# Altium PCB uAMDC.PcbDoc (part 3 of 6) (continued)
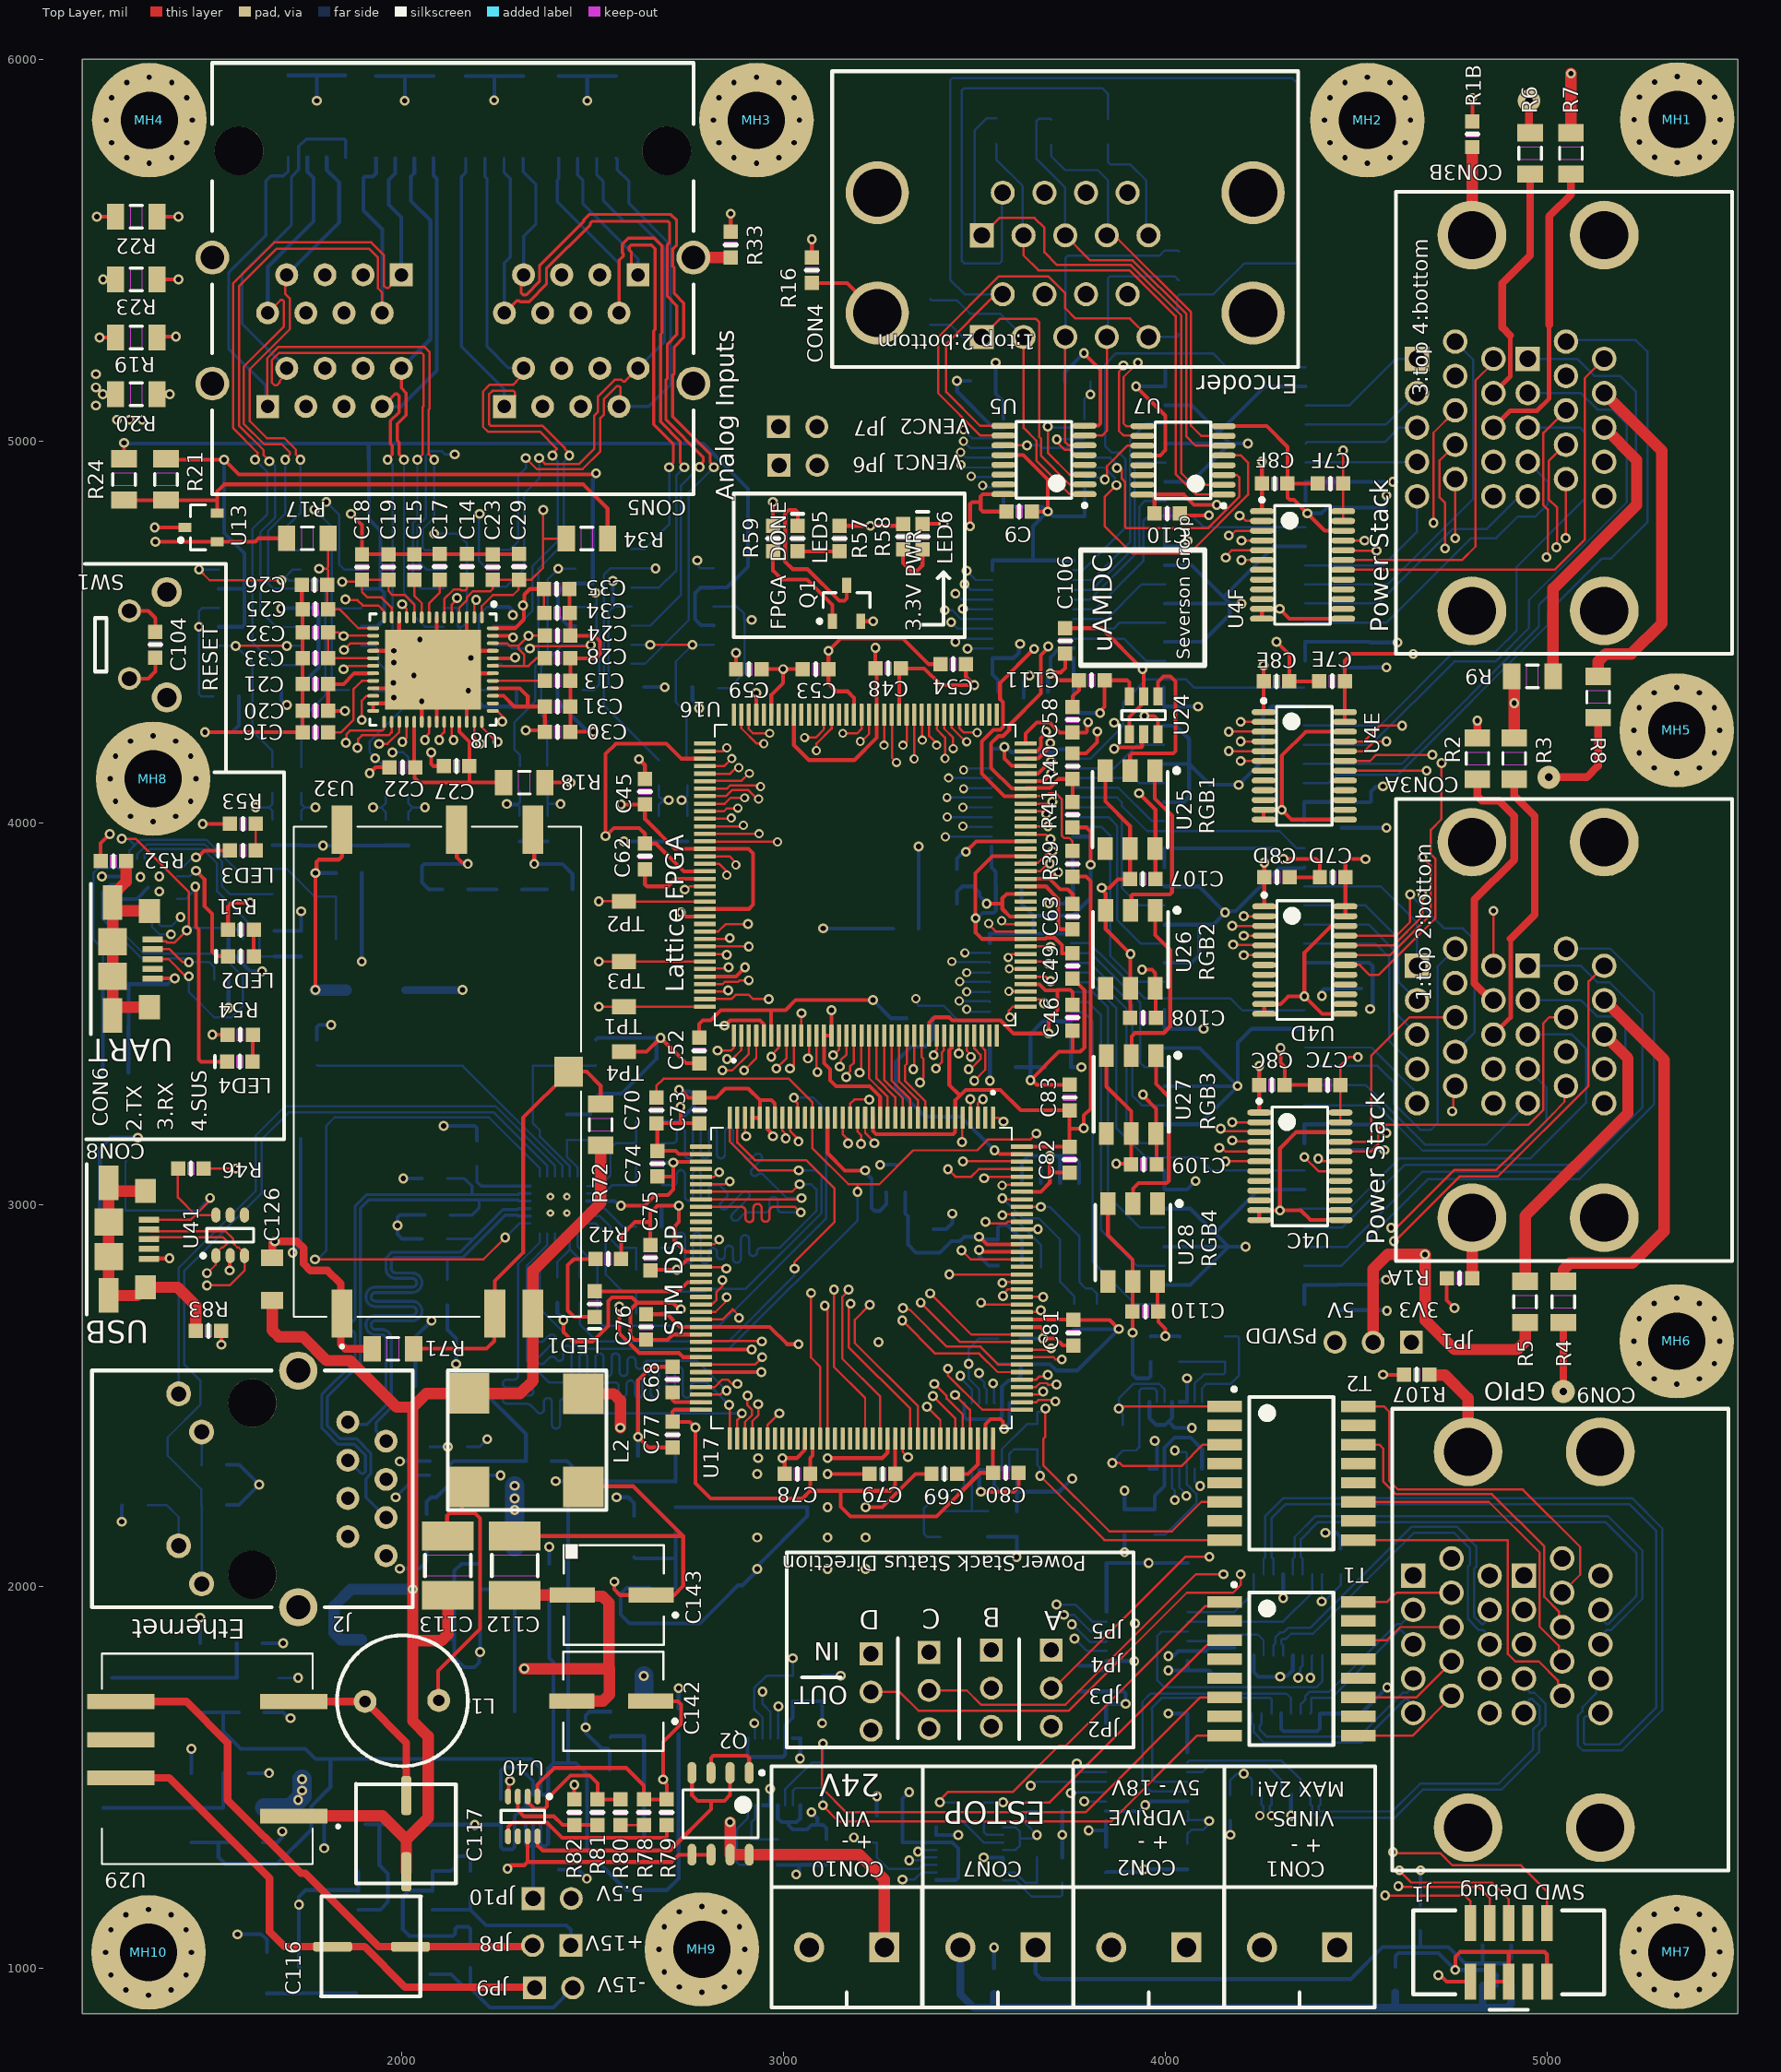
[diagram p0: Top Layer view]
## Nets (pads, with @x,y where several pads share a name; then routed paths per layer and width w, separated by ;. In a path a pad name is that pad's centre, name@x,y a point inside that pad or via, vN(x,y) a via of type N, cw(c..) or ccw(c..) an arc to the next point about the centre after c; other vN are vias at no path point) (continued)
  Int3 (Sign) w6: v2(3431.17,3092.35) 3431.17,3275.66 3460.72,3305.22 3460.72,3328.27 3485.81,3353.35 v2(3485.81,3354.55)
FMC_NBL1: U16.34 U17.142 | length 535.3
  Top Layer w6: v2(3470.54,3112.73) 3471.01,3113.2 3623.71,3113.2 U17.142@3624.87,3112.04 ; v2(3500.51,3324) 3529,3352.49 3529,3404.08 3520.25,3412.83 3520.25,3442.45 U16.34@3520.2,3442.5
  Int3 (Sign) w6: v2(3470.54,3112.73) 3470.54,3114.35 3443.17,3141.72 3443.17,3265.65 3500.51,3323 v2(3500.51,3324)
FMC_NE1: U16.17 U17.97 | length 1195.6
  Top Layer w6: v2(3164.85,3333.41) 3164.85,3338.82 3175.26,3349.23 3175.26,3361.26 3185.55,3371.55 U16.17@3185.55,3442.5 ; v2(3176.78,2740) 3171.5,2734.72 3171.5,2626.44 3332.74,2465.2 U17.97@3332.74,2386.84
  Int3 (Sign) w6: v2(3164.85,3333.41) 3112,3280.56 3112,3135.98 3122.73,3125.24 3122.73,2856.13 3193.24,2785.63 3193.24,2756.45 v2(3176.78,2740)
FMC_NE2: U16.18 U17.98 | length 1216.8
  Top Layer w6: v2(3200.22,3345.39) 3203.73,3348.9 3204.08,3348.9 3204.08,3441.35 U16.18@3205.24,3442.5 ; v2(3227,2737) 3187.5,2697.5 3187.5,2637.17 3352.43,2472.25 U17.98@3352.43,2386.84
  Int3 (Sign) w6: v2(3200.22,3345.39) 3196.75,3341.92 3196.75,3327.78 3124,3255.03 3124,3140.95 3134.73,3130.21 3134.73,2861.1 3227,2768.84 v2(3227,2737)
FMC_NE3: U16.15 U17.91 | length 1132.9
  Top Layer w6: v2(3130.81,3391.19) 3131.91,3391.19 3146.18,3405.46 U16.15@3146.18,3442.5 ; v2(3133,2777) 3133,2574.39 3214.63,2492.76 U17.91@3214.63,2386.84
  Int3 (Sign) w6: v2(3130.81,3391.19) 3126.98,3387.36 3126.98,3370.52 3126.5,3370.03 3126.5,3343.86 3088,3305.37 3088,3126.03 3098,3116.03 3098,2834.29 3133,2799.29 v2(3133,2777)
FMC_NE4: U16.31 U17.127 | length 870.1
  Top Layer w6: v2(3435,2816.76) U17.127@3624.87,2816.76 ; v2(3460,3395) 3460.57,3395.57 3460.57,3441.93 U16.31@3461.14,3442.5
  Int3 (Sign) w6: v2(3435,2816.76) 3431.19,2816.76 3385,2862.95 3385,3266.13 3424.09,3305.22 3424.09,3359.09 v2(3460,3395)
FMC_NOE: U16.28 U17.118 | length 1027
  Top Layer w6: v2(3360,2742.86) 3463.26,2639.6 U17.118@3624.87,2639.6 ; v2(3394,3391.13) 3393.22,3391.9 3393.22,3396.87 3402.09,3405.73 U16.28@3402.09,3442.5
  Int3 (Sign) w6: v2(3360,2742.86) 3360,3277.05 3380.09,3297.13 3380.09,3332.47 3378.09,3334.47 3378.09,3375.21 v2(3394,3391.13)
FMC_NWE: U16.29 U17.119 | length 987.6
  Top Layer w6: v2(3385,2767) 3492.72,2659.28 U17.119@3624.87,2659.28 ; v2(3400.09,3355.9) 3400.09,3357.19 3416,3373.1 3416,3398.66 3420.86,3403.52 3420.86,3441.59 U16.29@3421.77,3442.5
  Int3 (Sign) w6: v2(3385,2767) 3385,2767.14 3372,2780.14 3372,3272.08 3402.09,3302.16 3402.09,3353.9 v2(3400.09,3355.9)
FPGA_CLK: U16.49 U16.52 X1.3 | length 343.4
  Top Layer w10: v1(3532.93,3787.97) 3573.95,3787.97 ; U16.49@3635.16,3754.32 3593.63,3754.32 3573.95,3774 3573.95,3787.97 ; U16.52@3635.16,3813.37 3585.37,3813.37 3573.95,3801.95 3573.95,3787.97
  Bottom Layer w10: X1.3@3455,3788 3455,3819 3469,3833 3497.64,3833 3513.76,3816.88 3513.76,3808.39 3532.93,3789.22 v1(3532.93,3787.97)
FPGA_NRST: U16.128 U17.64 | length 1572.7
  Top Layer w6: v1(2742.09,3824.78) 2747.32,3824.78 2755.6,3833.06 U16.128@2795,3833.06
  Top Layer w10: U17.64@2784.71,2619.91 v2(2917.39,2619.91)
  Int3 (Sign) w10: v1(2742.09,3824.78) 2770,3796.86 2770,3420 2700,3350 2700,3200.83 2767.17,3133.66 2767.17,2687.83 2835.09,2619.91 v2(2917.39,2619.91)
GND: C1A.2 C1B.2 C1C.2 C2A.2 C2B.2 C2C.2 C3A.2 C3B.2 C3C.2 C4A.1 C4B.1 C4C.1 C5A.2 C5B.2 C5C.2 C6A.2 C6B.2 C6C.2 C7A.2 C7B.2 C7C.2 C7D.2 C7E.2 C7F.2 C8A.2 C8B.2 C8C.2 C8D.2 C8E.2 C8F.2 C9.1 C10.1 C11.2 C12.2 C13.2 C14.2 C15.2 C16.2 C17.2 C18.2 C19.2 C20.2 C21.2 C22.2 C23.2 C24.2 C25.2 C26.2 C27.2 C28.2 C29.2 C30.2 C31.2 C32.2 C33.2 C34.2 C35.2 C36A.2 C36B.2 C37A.1 C37B.1 C38A.2 C38B.2 C39A.2 C39B.2 C40A.2 C40B.2 C41A.1 C41B.1 C42A.2 C42B.2 C43A.2 C43B.2 C45.2 C46.2 C48.2 C49.2 C52.2 C53.2 C54.2 C57.2 C58.2 C59.2 C68.2 C69.2 C70.2 C71.1 C72.1 C73.1 C74.1 C75.1 C76.1 C77.1 C78.1 C79.1 C80.1 C81.1 C82.1 C83.1 C96A.1 C96B.1 C96C.1 C96D.1 C97A.1 C97B.1 C97C.1 C97D.1 C98.2 C99.2 C100.2 C101.1 C102.1 C103.1 C104.1 C105.1 C106.2 C107.1 C108.1 C109.1 C110.1 C111.2 C123.2 C124.2 C125.2 C127.1 C128.2 C129.2 C131.2 C132.2 C133.2 C134.2 C135.2 C136.2 C138.1 C139.2 C140.1 C141.1 C144.2 C145.2 C146.2 C147.1 C148.1 C149.1 C150.1 C151.1 C152.2 C153.1 C154.1 C155.1 C156.1 C157.1 C158.2 C159.2 C160.2 CON2.2 CON3A.7A CON3A.7B CON3A.15A CON3A.15B CON3B.7A CON3B.7B CON3B.15A CON3B.15B CON4.8B CON4.8T CON4.9B CON4.9T CON5.4A CON5.4B CON5.4C CON5.4D CON5.6A CON5.6B CON5.6C CON5.6D CON6.5 CON8.5 CON9.11A CON9.11B J1.3 J1.5 J1.9 J2.8 JP2.1 JP3.1 JP4.1 JP5.1 LED6.C MH1.1 MH2.1 MH3.1 MH4.1 MH5.1 MH6.1 MH7.1 MH8.1 MH9.1 MH10.1 Q1.2 R1A.2 R1B.2 R16.2 R33.1 R41.2 R42.2 R49A.1 R49B.1 R49C.1 R49D.1 R52.2 R61.1 R70.1 R83.2 R93.2 R94.1 R99.1 R100.1 R102.1 R107.1 SW1.2 SW1.SH TP4.1 U1A.7 U1A.8 U1B.7 U1B.8 U1C.7 U1C.8 U2A.11 U2A.12 U2A.13 U2A.22 U2B.11 U2B.12 U2B.13 U2B.22 U2C.11 U2C.12 U2C.13 U2C.22 U3A.7 U3A.8 U3B.7 U3B.8 U3C.7 U3C.8 U4A.2 U4A.11 U4A.12 U4A.13 U4A.14 U4A.15 U4A.16 U4A.17 U4A.22 U4B.7 U4B.8 U4B.9 U4B.10 U4B.11 U4B.12 U4B.13 U4B.22 U4C.11 U4C.12 U4C.13 U4C.22 U4D.11 U4D.12 U4D.13 U4D.22 U4E.11 U4E.12 U4E.13 U4E.22 U4F.11 U4F.12 U4F.13 U4F.22 U5.8 U5.12 U6.9 U6.10 U6.11 U6.12 U6.13 U6.14 U6.15 U6.22 U7.8 U7.12 U8.3 U8.7 U8.12 U8.18 U8.23 U8.25 U8.26 U8.32 U8.34 U8.38 U8.46 U8.49 U8.53 U9.5 U9.6 U9.7 U9.8 U10.5 U10.6 U10.7 U10.8 U11.5 U11.6 U11.7 U11.8 U12.5 U12.6 U12.7 U12.8 U13.3 U16.5 U16.13 U16.14 U16.59 U16.69 U16.86 U16.103 U16.132 U16.140 U17.16 U17.31 U17.38 U17.51 U17.61 U17.83 U17.94 U17.107 U17.120 U17.130 U17.138 U18.3 U19.1 U19.2 U19.3 U19.4 U20A.7 U20A.8 U20A.13 U20A.14 U20B.7 U20B.8 U20B.13 U20B.14 U20C.7 U20C.8 U20C.13 U20C.14 U20D.7 U20D.8 U20D.13 U20D.14 U21.2 U21.25 U22.2 U23.2 U24.2 U25.6 U26.6 U27.6 U28.6 U31.3 U31.6 U32.4 U33.1 U34.2 U34.3 U35.1 U36.1 U37.1 U39.5 U39.9 U41.2 U42.2 U43.25 U44.4 U44.8 U44.12 U45.4 U45.8 U45.12 X1.2 | length 33624.1
  Top Layer w10: R52.2@1212.54,3899 1212.54,3946.33 v1(1236.2,3970) ; SW1.2@1288,4377.42 1337.42,4377.42 1356,4396 C104.1@1356,4432.54 ; CON8.5@1338.86,2857.8 1339.59,2858.54 1392.06,2858.54 v1(1392.79,2859.27) ; CON6.5@1349.32,3591.54 1349.66,3591.88 v1(1407,3591.88) v1@1407.34,3592.22 ; v1(1354.47,4773.44) U13.3@1433.24,4773.44 ; v1(1486,4236.79) C16.2@1741.54,4236.79 C20.2@1741.54,4292.73 C21.2@1741.54,4363 C33.2@1741.54,4430.53 C32.2@1741.54,4498 C25.2@1741.54,4559 1739.54,4561 C26.2@1739.54,4623 ; R83.2@1528.46,2669 1528.79,2668.67 v1(1528.79,2632.47) ; v1(1550.53,2827) 1550.53,2864.38 U41.2@1552,2865.85 ; v1(1868,4808.87) 1897.09,4779.78 C18.2@1897.09,4702.82 C19.2@1966,4702.82 C15.2@2033.79,4702.82 2100.23,4702.82 C17.2@2101,4703.59 C14.2@2171.58,4703.59 2238.73,4703.59 C23.2@2239.5,4702.82 2240.27,4703.59 C29.2@2308,4703.59 ; v1(1916.89,4129.25) 1932.64,4145 C22.2@1969.54,4145 ; U8.26@1926.5,4292.73 U8.25@1926.5,4312.42 1994.42,4312.42 U8.53@2033.79,4351.79 ; U8.23@1926.5,4351.79 U8.53@2033.79,4351.79 ; U8.18@1926.5,4450.21 U8.53@2033.79,4450.21 ; U8.12@1994.42,4537.81 1994.42,4489.58 U8.53@2033.79,4450.21 ; U8.32@2053.47,4264.19 v1(2053.47,4317.83) U8.53@2053.47,4371.47 ; v1(2078,4184) 2078,4154.11 2083.86,4148.25 C27.2@2111.23,4148.25 ; U8.34@2092.84,4264.19 U8.53@2092.84,4391.16 ; U8.7@2092.84,4537.81 U8.53@2092.84,4410.84 ; U8.38@2171.58,4264.19 2171.58,4312.42 U8.53@2092.84,4391.16 ; U8.3@2171.58,4537.81 2171.58,4489.58 U8.53@2132.21,4450.21 ; U8.46@2239.5,4391.16 U8.53@2092.84,4391.16 ; U8.49@2239.5,4450.21 U8.53@2132.21,4450.21 ; U32.4@2344.69,3981.46 2348,3978.16 v1(2348,3892) ; C35.2@2440.34,4612 2440.34,4550.13 C34.2@2441.46,4549 2442.8,4547.66 C24.2@2442.8,4489.58 2443.27,4489.12 2505.94,4489.12 2520,4475.06 2520,4442.24 2508.28,4430.53 C28.2@2442.8,4430.53 C13.2@2442.8,4371.47 C31.2@2442.8,4304 C30.2@2442.8,4238 v1(2503.17,4238) ; R42.2@2575.46,2857 2575.46,2916.55 2575.15,2916.86 2612.36,2954.07 2652,2954.07 ; TP4.1@2582.67,3399.97 2642.5,3399.97 v1(2679,3436.46) 2745.93,3369.54 C52.2@2780,3369.54 ; v1(2622.25,4166.51) 2638,4150.76 C45.2@2638,4114.46 ; C76.1@2641,2712.43 2696.16,2712.43 2729.63,2678.97 U17.61@2784.71,2678.97 2871.65,2678.97 2965.08,2678.97 3010.05,2634 v1(3040,2634) ; C75.1@2652,2894 2652,2954.07 ; C77.1@2710,2363.54 2647.46,2363.54 v1(2620,2391) 2620,2539.86 2654.78,2574.64 C68.2@2710,2574.64 ; v1(2731.09,3255.03) 2732,3254.12 2732,3212.78 ; v1(2732,3765) 2734.33,3765 2745.01,3754.32 U16.132@2795,3754.32 ; C73.1@2781,3212.78 2732,3212.78 ; U17.51@2784.71,2875.82 2743.47,2875.82 2715.43,2903.86 2715.43,2942.46 2727.04,2954.07 v1(2727.04,2997) 2670.76,2997 2652,2978.24 2652,2954.07 ; U17.38@2784.71,3131.72 2727.11,3131.72 2718.63,3140.21 C74.1@2670.76,3140.21 2670.76,3210.07 C70.2@2668.05,3212.78 2732,3212.78 ; U16.140@2795,3596.83 2876.11,3596.83 v1(2900.11,3620.83) ; v1(2846.08,3468.6) 2847.49,3468.6 2861.33,3482.44 2938.91,3482.44 2948.82,3472.53 2948.82,3443.02 U16.5@2949.33,3442.5 ; v1(2862.73,5595) 2862.73,5547.73 R33.1@2863,5547.46 ; C59.2@2943.43,4402.14 v1(3000,4402.14) ; U17.31@2958.72,3227 2959.24,3226.49 2959.24,3196.88 2973,3183.11 v1(2973,3178.78) ; U16.103@2969.02,4282.66 2969.02,4334.52 3000,4365.5 v1(3000,4402.14) ; C78.1@3004,2294 3004,2325.41 2998.09,2331.31 3002.42,2335.64 3035.46,2335.64 3056.64,2356.82 3056.64,2386.33 U17.83@3057.15,2386.84 ; C53.2@3051.57,4402.14 v1(3000,4402.14) ; R16.2@3075,5480.46 v1(3075,5528) ; v1(3116.2,2294) C79.1@3226.54,2294 ; v1(3116.2,2335.64) 3259.37,2335.64 3273.17,2349.45 3273.17,2386.33 U17.94@3273.68,2386.84 ; v1(3126.5,3509) U16.14@3126.5,3442.5 U16.13@3106.81,3442.5 3106.81,3369.86 3122.68,3353.99 3122.68,3325.28 3138.56,3309.41 3226.43,3309.41 3254,3281.84 U17.16@3254,3227 ; Q1.2@3203.4,4527.51 v1(3236,4527.51) ; v1(3216,2207) 3259.42,2207 3346.52,2294.09 C69.2@3388.54,2294.09 ; U16.86@3303.66,4282.66 3303.66,4399.2 C48.2@3308.46,4404 3369.58,4404 3413.58,4360 v1(3500.51,4360) 3478.46,4382.05 C54.2@3478.46,4415 ; LED6.C@3364.88,4782.46 v1(3419.87,4782.46) ; v1(3478.33,3923.58) 3505.91,3951.17 U16.59@3635.16,3951.17 ; v1(3513.15,2880.87) 3517.48,2880.87 3522.53,2875.82 U17.130@3624.87,2875.82 ; v1(3517.48,2247.44) 3603.65,2247.44 3616.46,2260.26 C80.1@3616.46,2297 ; U17.107@3529.59,2386.84 3530.1,2387.35 3530.1,2424.38 3543,2437.28 3569.27,2437.28 3575.63,2430.91 3575.63,2414.75 v1(3578.69,2411.68) ; U5.12@3576.7,4962.8 3628.53,4962.8 3693,4898.32 v1(3693,4815) C9.1@3651.46,4815 ; v1(3579.17,4198.4) 3579.17,4167.7 3598.34,4148.53 3634.65,4148.53 U16.69@3635.16,4148.02 ; U17.120@3624.87,2678.97 3625.38,2678.46 3674.49,2678.46 3680.35,2672.6 v1(3680.35,2648.93) 3713.71,2648.93 3732.1,2630.54 C81.1@3760,2630.54 ; U17.138@3624.87,3033.3 3674.81,3033.3 3698.14,3056.63 3698.14,3090.73 ; v1(3698.14,3127) 3698.14,3090.73 ; v1@3702.75,4391.76 3721.5,4373 C111.2@3774.54,4373 3774.54,4347.22 3758.08,4330.75 3758.08,4302.99 C58.2@3758,4302.91 ; v1@3702.75,4393.55 3727.25,4393.55 3738.7,4405 C106.2@3738.7,4442.54 ; C82.1@3750,3083.54 3705.33,3083.54 3698.14,3090.73 ; C83.1@3750,3313.46 3663.87,3313.46 3652.03,3325.3 v1(3647.7,3325.3) 3722.34,3399.94 3754,3399.94 ; C46.2@3758,3455.59 3758,3403.94 3754,3399.94 ; C49.2@3758,3591.54 3789,3560.54 3789,3410.94 3778,3399.94 3754,3399.94 ; R41.2@3758,3987.54 3794.34,3987.54 3805,3976.88 v1(3805,3890) ; v1(3787.43,5229.55) 3830.86,5186.12 3830.86,5045.42 3825.14,5039.7 3789.43,5039.7 U5.8@3789.3,5039.57 ; v1(3866.57,4193.75) 3870.9,4193.75 3874.57,4197.42 3937.93,4197.42 3939.84,4199.34 3939.84,4228.1 U24.2@3943.78,4232.05 ; v1(3924,5143) 4001,5066 4001,4975.65 3987.14,4961.8 U7.12@3940.7,4961.8 ; v1(3932,4077) 3974.85,4034.15 3974.85,3933.2 U25.6@3973.34,3931.69 3974.85,3930.19 C107.1@3974.85,3852.05 ; v1(3940,3615) 3965.4,3615 3974.34,3606.05 U26.6@3974.34,3565.69 3975.85,3564.19 C108.1@3975.85,3489.05 ; v1(3942.38,3287.87) 3942.38,3284.87 3976.34,3250.91 U27.6@3976.34,3185.69 3977.85,3184.19 C109.1@3977.85,3105.05 ; U28.6@3980.34,2797.69 3980.34,2721.56 3982.32,2719.58 3982.32,2692.21 4000.47,2674.07 4000.47,2655.53 v1(4001,2655) ; C10.1@4039.39,4809.54 4043.92,4805 v1(4115,4805) ; U7.8@4153.3,5038.57 4266.04,5038.57 4320.63,4983.98 C8F.2@4320.63,4887.98 ; U4C.12@4246.7,2959.25 U4C.11@4246.7,2984.84 4355.16,2984.84 4380.75,2959.25 U4C.13@4459.3,2959.25 ; U4F.12@4253.7,4534.25 U4F.11@4253.7,4559.84 v1(4300,4559.84) 4325.59,4534.25 U4F.13@4466.3,4534.25 ; U4E.12@4258.4,4008.09 U4E.11@4258.4,4033.69 v1(4305.63,4033.69) ; U4D.12@4259.7,3499.25 U4D.11@4259.7,3524.84 4302.37,3524.84 4322.79,3545.26 v1(4365,3545.26) ; v1(4291.87,4473.46) 4325.33,4440 C8E.2@4325.33,4369.94 4403.77,4369.94 C7E.2@4404.07,4370.24 ; v1(4301,2983.97) 4301,3147.24 4343.33,3189.57 U4C.22@4459.3,3189.57 ; v1(4302.37,3410) 4302.37,3371.09 4313.46,3360 C8C.2@4313.46,3313 C7C.2@4392.37,3313 ; v1(4310,3905) 4395.37,3905 4405.37,3895 C7D.2@4405.37,3856.83 C8D.2@4326.63,3856.83 ; C7F.2@4399.37,4887.98 C8F.2@4320.63,4887.98 ; U4F.22@4466.3,4764.57 4418.07,4764.57 v1(4372.63,4810.01) 4337.36,4845.28 4326.49,4845.28 4320.63,4851.13 C8F.2@4320.63,4887.98 ; U4E.13@4471,4008.09 4331.22,4008.09 v1(4305.63,4033.69) ; U4E.22@4471,4238.41 4368.64,4238.41 4305.63,4175.4 v1(4305.63,4033.69) ; U4D.13@4472.3,3499.25 4411.01,3499.25 v1(4365,3545.26) ; U4D.22@4472.3,3729.57 4435.15,3729.57 4365,3659.42 v1(4365,3545.26) ; v1(4571,2554) R107.1@4625.54,2554 ; R1A.2@4737.54,2807 4737.54,2749.46 v1(4758,2729) ; v1(4760,995) 4760,1029.31 4772.76,1042.07 4900,1042.07 ; R1B.2@4805,5836.46 v4(4805,5899.06) ; J1.3@4850,964.23 J1.5@4900,964.23 4900,1042.07 ; J1.9@5000,964.23 5000,1036.21 4994.14,1042.07 4900,1042.07 ; U8.53@2033.79,4351.79 U8.53@2053.47,4371.47 ; U8.53@2033.79,4450.21 U8.53@2083,4401 ; U8.53@2053.47,4371.47 U8.53@2083,4401 ; U8.53@2083,4401 U8.53@2092.84,4410.84 ; U8.53@2083,4401 U8.53@2092.84,4391.16 ; U8.53@2092.84,4410.84 U8.53@2132.21,4450.21
  Bottom Layer w10: C146.2@1210.54,2984 1210.54,3046.87 C145.2@1210.66,3047 1210.66,3146.66 1239,3175 v1(1310,3175) ; U21.2@1261.37,3800.26 1307.63,3800.26 U21.25@1337.16,3829.79 ; v1(1268,2169) 1268,2210.46 R102.1@1269.54,2212 ; C103.1@1285.59,3345 C102.1@1285.59,3467 1285.72,3467.13 C101.1@1285.72,3577.22 1388.55,3577.22 1403.55,3592.22 v1@1407.34,3592.22 ; U36.1@1450.32,1510.55 v1(1450.32,1574) ; U33.1@1473.16,1850.55 v1(1473.16,1918) ; v1(1486,4236.79) 1556.25,4236.79 1574.46,4255 C38A.2@1574.46,4331 ; R100.1@1543.46,2213 1575,2213 v1(1628,2266) 1576,2318 R99.1@1543.46,2318 ; U22.2@1547.4,3589.78 U22.2@1547.61,3589.57 v1(1547.61,3515) ; C135.2@1600.67,1510.55 v1(1654,1510.55) ; C129.2@1636.26,1850.55 v1(1690.67,1850.55) ; C132.2@1637.09,1329.45 1675.42,1329.45 1688,1342.03 v1(1688,1357.7) ; C128.2@1641.18,1669.45 1690.67,1669.45 1705.67,1654.45 v1(1710,1654.45) ; C36A.2@1662.75,3941.41 C39A.2@1737.75,3941.41 1739.16,3940 v1(1795,3940) 1956.59,3940 1958,3941.41 C36B.2@1958.75,3940.66 C39B.2@2018.75,3940.66 ; C37A.1@1685.54,4352 1685.54,4320.54 1697.59,4308.48 v1(1700.5,4308.48) ; U10.5@1704,5957.28 U10.6@1754,5957.28 1779,5957.28 ; v1(1715.46,2873.46) 1736.41,2894.41 C157.1@1736.41,2925 C156.1@1736.41,2988 C155.1@1736.41,3050 C154.1@1736.41,3109 C150.1@1736.41,3172 ; C138.1@1734,1000.46 1732,1002.46 1732,1186.14 1749.86,1204 1886.76,1204 U34.2@1887.76,1203 U34.3@1887.76,1253 ; C152.2@1779,3431.46 1779,3464.14 1784.86,3470 v1(1816,3470) ; v1(1779,5891) 1779,5957.28 ; U10.8@1854,5957.28 U10.7@1804,5957.28 1779,5957.28 ; v1(1896.34,3636) C100.2@1896.34,3695.94 C99.2@1896.34,3752 C98.2@1896.34,3806.94 C127.1@1896.34,3868 ; C38B.2@1929.18,4347.21 1960.16,4347.21 v1(1979.38,4366.43) ; U12.5@1934,5955.28 U12.6@1984,5955.28 2009,5955.28 ; v1(1996,2046) 2048.04,2046 2066.54,2064.5 C148.1@2066.54,2121.95 ; v1(1996,2326.9) 1996.55,2327.45 2074.24,2327.45 U42.2@2074.79,2328 ; v1(2009,5891) 2009,5955.28 ; v1(2033.06,4385.25) 2033.06,4358.68 C37B.1@2044.54,4347.21 ; C131.2@2045.46,1376 2045.93,1375.54 v1@2191.6,1375.54 ; C123.2@2050.48,1860 2139.01,1860 ; U12.8@2084,5955.28 U12.7@2034,5955.28 2009,5955.28 ; v1(2111,3206) 2192.14,3206 2198,3200.14 R94.1@2198,3167.46 ; U11.5@2169,5955.28 U11.6@2219,5955.28 2244,5955.28 ; v1(2175.27,4345.88) 2175.27,4343.31 2214.58,4304 2295.47,4304 2301.33,4309.86 C41A.1@2301.33,4347 ; v1(2192.24,1374.89) v1@2191.6,1375.54 ; U35.1@2206.18,1902.79 v1(2206.18,1828) 2204,1825.82 2204,1800 2191.63,1787.63 2164.84,1787.63 2139.01,1813.46 2139.01,1860 ; C134.2@2206.18,2058.59 2157.45,2058.59 2139.01,2040.16 2139.01,1860 ; v1(2243,5892) 2244,5893 2244,5955.28 ; C40A.2@2310,3950.41 2348,3950.41 ; U11.8@2319,5955.28 U11.7@2269,5955.28 2244,5955.28 ; U39.5@2325.47,1454.2 2326.38,1453.3 2326.38,1427.71 U39.9@2337.09,1417 ; U39.9@2355,1417 U39.9@2337.09,1417 ; C42A.2@2383,3950.41 2348,3950.41 ; C133.2@2387.28,2058.59 v1(2387.28,2102.88) ; C147.1@2393.46,2328 2434.87,2328 2447,2315.87 2447,2285.04 2436.97,2275 v1(2404,2275) ; C43A.2@2408.54,4347 2409.34,4346.2 2409.34,4316.79 2485.85,4240.28 2500.89,4240.28 v1(2503.17,4238) ; U9.5@2412,5955.28 U9.6@2462,5955.28 2487,5955.28 ; C140.1@2412.46,1258 2462.89,1258 2486,1234.89 v1(2486,1234) ; C151.1@2433.65,3235.62 C153.1@2494.68,3235.62 2494.68,3265.5 2519.18,3290 2577.05,3290 2668.05,3381 v1@2668.05,3436.46 ; R70.1@2448.46,3825 2448.46,3865.54 2422,3892 v1(2348,3892) 2348,3950.41 ; v1(2487,5891) 2487,5955.28 ; C158.2@2509,3431.46 2514,3436.46 v1@2668.05,3436.46 ; U37.1@2545.18,1518.79 2545.18,1568.98 2539.32,1574.83 2524.74,1574.83 2483,1616.58 v1(2483,1630.13) 2483,1661.66 2492.8,1671.46 C139.2@2548,1671.46 ; U9.8@2562,5955.28 U9.7@2512,5955.28 2487,5955.28 ; v1(2583.31,3950.87) C40B.2@2674,3950.87 C42B.2@2749,3950.87 ; C124.2@2620,2341.46 v1(2620,2391) ; C41B.1@2636.9,4355 v1(2690,4355) ; C125.2@2651.07,1996 2590.47,1996 2575,1980.53 2575,1926 2598,1903 2782.15,1903 2840,1960.85 2881.47,2002.32 2893,2002.32 2928.07,2037.39 2928.07,2048.93 3063,2183.85 U31.6@3063,2207 U31.3@2718,2207 ; v1(2679,3436.46) v1@2668.05,3436.46 ; R93.2@2681.46,2942 C149.1@2681.46,2997 v1(2727.04,2997) ; C136.2@2726.28,1679.34 v1(2726.28,1733.24) ; C43B.2@2762.54,4355 2762.54,4321.3 2780,4303.83 v1(2780,4300) ; U20B.14@2946.47,1426.4 U20B.13@2966.16,1426.4 2966.16,1468.74 v1(2965.83,1469.06) ; R49B.1@2985.84,1270.41 2986.72,1269.54 3041.82,1269.54 ; U20B.7@3025.21,1601.6 U20B.8@3044.9,1601.6 3044.9,1549.9 v1(3044,1549) ; v1(3034.15,1245) 3035.96,1245 3041.82,1250.86 3041.82,1269.54 ; C96B.1@3102,1765.46 3102.34,1765.8 v1(3150.35,1765.8) ; v1(3105,3723) C57.2@3287.54,3723 ; C97B.1@3113.12,1270.41 3042.69,1270.41 3041.82,1269.54 ; v1(3245.21,1449.68) 3245.21,1400.07 C96A.1@3245.54,1399.75 ; v1(3254,3103.89) U18.3@3294.43,3103.89 ; C71.1@3393.46,2935 3426.52,2935 3442.79,2951.28 v1(3442.79,2975.93) ; U20A.8@3400.8,1368.37 U20A.7@3400.8,1348.68 v1(3458.54,1348.68) ; X1.2@3455,3878 3455,3906.25 3472.33,3923.58 v1(3478.33,3923.58) ; C12.2@3489.54,5157 v1(3455,5157) 3455.54,5156.46 3455.54,5129 3551.98,5032.57 U6.22@3576.7,5032.57 ; v1(3513.15,2880.87) 3514.83,2879.2 3514.83,2862.95 3538.24,2839.54 C72.1@3562,2839.54 ; v1(3517.48,2247.44) 3517.48,2251.77 3513.47,2255.78 U20D.14@3513.47,2304.4 U20D.13@3533.16,2304.4 ; v1(3525.14,1289.97) 3525.48,1289.63 U20A.13@3576,1289.63 U20A.14@3576,1269.94 ; R49D.1@3536.16,2129.41 C97D.1@3611.9,2129.41 3611.57,2129.09 v1(3611.57,2076.34) ; U2C.11@3541.4,3684 U2C.12@3541.4,3709.59 3655,3709.59 ; U2B.11@3545.7,4168.16 U2B.12@3545.7,4193.75 3570.88,4193.75 3575.53,4198.4 v1(3579.17,4198.4) 3583.49,4198.4 3597.38,4184.51 3709.63,4184.51 3717.76,4192.65 3757.2,4192.65 U2B.13@3758.3,4193.75 ; U2A.11@3547.7,4661.16 U2A.12@3547.7,4686.75 3654.25,4686.75 ; R61.1@3552,999.46 v1(3552,1054) ; U6.13@3576.7,4802.25 U6.14@3576.7,4827.84 ; U6.15@3576.7,4853.43 U6.14@3576.7,4827.84 ; v1(3578.69,2411.68) 3578.69,2416.01 3592.21,2429.53 U20D.7@3592.21,2479.6 U20D.8@3611.9,2479.6 ; C4C.1@3608.33,3359.75 3647.7,3359.75 ; C96D.1@3622,2648.59 3622.34,2648.93 v1(3680.35,2648.93) ; U19.1@3625,3056 3625,3109.85 3642.15,3127 3670.15,3127 ; C4A.1@3630.46,4328 3630.46,4370.46 v1(3645,4385) ; v1(3647.7,3325.3) 3647.7,3359.75 ; U19.2@3675,3056 3675,3122.15 3670.15,3127 ; C1C.2@3687.07,3359.75 3647.7,3359.75 ; C1B.2@3691.66,3834 C4B.1@3623.59,3834 3623.59,3787.97 3655,3756.56 ; C1A.2@3693.37,4342.75 3693.37,4379.84 3699.69,4386.16 v1(3699.69,4390.49) 3699.69,4433.12 3723,4456.43 U2A.22@3760.3,4456.43 ; v1@3694.11,4815 3706.86,4802.25 U6.12@3789.3,4802.25 U6.11@3789.3,4827.84 U6.10@3789.3,4853.43 U6.9@3789.3,4879.02 ; U19.3@3725,3056 3725,3127 ; R49A.1@3731.34,1289.63 3731.01,1289.95 v1(3731.01,1349.02) 3731.01,1410.52 C97A.1@3731.34,1410.84 ; C11.2@3737.54,5155 3737.54,5179.65 v1(3787.43,5229.55) ; U2C.22@3754,3479.28 3679.28,3479.28 3647.7,3447.7 3647.7,3359.75 ; U2C.13@3754,3709.59 3655,3709.59 ; U2B.22@3758.3,3963.43 3799.14,3963.43 3805,3957.58 v1(3805,3890) 3805,3802.97 3758.59,3756.56 3655,3756.56 ; U2A.13@3760.3,4686.75 3654.25,4686.75 ; C8B.2@3775,1724.54 3891.14,1724.54 3897,1718.68 v1(3897,1692) 3851.56,1692 3845.7,1686.14 U4A.12@3845.7,1666.75 U4A.11@3845.7,1641.16 ; U19.4@3775,3056 3775,3111 3759,3127 3725,3127 ; C8A.2@3845.7,1250.66 3847.04,1252 3934.23,1252 3940.67,1258.44 4058.09,1258.44 C7A.2@4058,1258.54 ; U4A.2@3845.7,1410.84 3931.84,1410.84 v1(3948,1427) 3952.33,1427 3961.76,1436.43 U4A.22@4058.3,1436.43 ; U4B.7@3846.7,1932.8 U4B.8@3846.7,1958.39 U4B.9@3846.7,1983.98 U4B.10@3846.7,2009.57 U4B.11@3846.7,2035.16 U4B.12@3846.7,2060.75 v1(3956.99,2060.75) U4B.13@4059.3,2060.75 ; v1(3894,2089) C96C.1@3894,2134.66 ; v1(3924,5143) U3A.7@4001,5143 U3A.8@4001,5193 ; U20C.8@3959.1,2307.68 U20C.7@3978.79,2307.68 3978.79,2375.08 v1(3972.74,2381.13) ; C97C.1@3962.07,2654.46 3962.61,2655 v1(4001,2655) 4037.3,2655 R49C.1@4037.84,2654.46 ; U3B.8@3997,4354 U3B.7@3997,4304 v1(4086.43,4304) ; U3C.8@3998,3510 U3C.7@3998,3460 v1(4101,3460) ; U1B.7@3998,3883 U1B.8@3998,3933 4282,3933 v1(4310,3905) ; U1C.8@3998.07,3089 U1C.7@3998.07,3039 4057.13,3039 v1(4079.74,3061.61) ; U1A.8@4000,4774 U1A.7@4000,4724 4045,4724 4059.06,4738.06 v1(4059.06,4738.98) ; v1(4008.52,1666.75) U4A.13@4058.3,1666.75 U4A.14@4058.3,1641.16 U4A.15@4058.3,1615.57 U4A.16@4058.3,1589.98 U4A.17@4058.3,1564.39 ; v1(4008.52,1816.71) 4011.58,1819.77 4023.46,1819.77 4034.12,1830.43 4107.75,1830.43 4115.62,1838.31 C7B.2@4181.25,1838.31 ; U20C.13@4037.84,2482.87 U20C.14@4057.53,2482.87 v1(4057.53,2544.45) ; v1(4171,1349) C160.2@4171,1385.66 ; U44.8@4232.43,1818.7 4232.43,1775.17 4245,1762.6 4300.9,1762.6 4302.92,1764.62 4319.27,1764.62 4334.8,1780.14 U44.4@4334.8,1818.7 ; U45.4@4304.23,1666.59 4304.23,1625.86 4310.09,1620 4397.9,1620 4405.49,1627.59 4405.49,1665.49 U45.8@4406.59,1666.59 4513.5,1666.59 4550.28,1703.36 v1(4582,1735.08) ; v1(4309.2,1969) U44.12@4309.2,2031.3 ; v1(4329.82,1399) U45.12@4329.82,1453.99 ; v1(4372.63,4810.01) 4409.18,4810.01 4424.71,4825.54 C3A.2@4459,4825.54 C2A.2@4538,4825.54 4571.7,4825.54 4577.56,4831.39 4577.56,4854.62 v1(4580,4857.06) ; v1(4411,3546) 4407.98,3549.02 4407.98,3557.31 4414.86,3564.19 4414.86,3564.54 C2C.2@4453,3564.54 4454,3565.54 C3C.2@4514,3565.54 ; v1(4420,2140) 4448.98,2140 4460,2128.98 C159.2@4460,2098.46 ; C5A.2@4451,3142.54 C6A.2@4518,3142.54 4574,3142.54 v1(4574.2,3142.35) ; C5C.2@4453,2722.07 4454.34,2723.41 C6C.2@4520,2723.41 4579,2723.41 v1(4581.25,2721.16) ; C5B.2@4462,3986.54 v1(4580,3986.54) ; C3B.2@4466,4406.66 4466.13,4406.54 C2B.2@4536,4406.54 4536.13,4406.66 v1(4580,4406.66) ; C105.1@4603,1003.46 4603,1031.31 4610.69,1039 4716,1039 v1(4760,995) 4855,995 4869,981 U23.2@4869,953.85 ; v1@2191.6,1375.54 C141.1@2261,1375.54 2261,1317.11 2266.86,1311.25 2291.3,1311.25 2297.16,1317.11 2297.16,1398.4 2315.76,1417 U39.9@2337.09,1417 ; U6.14@3576.7,4827.84 3679.14,4827.84 3691.98,4815 3691.98,4813.98 3654.25,4776.25 3654.25,4686.75 ; 3655,3709.59 3655,3756.56 ; 3670.15,3127 v1(3698.14,3127) 3725,3127
  other v1: 1732,1166 3945,1258.44 4301.3,1763 2932,2045 3116.2,2045 3216,2045 2932,2127.65 3116.2,2127.65 3216,2127.65 3116.2,2207 2932,2294 2934.64,2335.64 2998.09,2335.64 1366.38,3819.94 1317,3858 1366.38,3859.32 1980.15,4327.94 1980.15,4419.32 2181.83,4431.73 1980.15,4450.21 2048.79,4480
  other v5: 2390.35,2977.35 2433.65,2977.35 2390.35,3020.65 2433.65,3020.65
GND_IN: C112.1 C142.2 C143.2 CON10.2 L2.2 R82.2 U40.4 | length 3520.6
  Top Layer w10: U40.4@2279.61,1449.17 2280.71,1450.27 2280.71,1481.38 2285,1485.67 v1(2285,1490) ; R82.2@2453,1441.46 v2(2453,1480.16)
  Top Layer w30: C112.1@2297,1976.52 2297.24,1976.76 2447.07,1976.76 C143.2@2447.31,1977 2450.34,1973.97 2526.65,1973.97 2544.23,1956.39 2544.23,1784.05 ; v2(2322.05,1784.05) 2544.23,1784.05 ; C142.2@2446.31,1699 2527.61,1699 2545.18,1716.57 2545.18,1785 2544.23,1784.05 ; L2.2@2477,2504 2556.08,2504 2573.65,2486.43 2573.65,2415.63 v2@2573.7,2415.58
  Int2 (Sign) w30: v1(2285,1490) 2285,1495.54 2321.46,1532 ; v2(2322.05,1784.05) 2322.05,1682.05 2321.46,1681.46 2321.46,1532 ; v2(2453,1480.16) 2453,1532 ; v2@2573.7,2415.58 v2(2573.65,2415.54) 2573.65,2365 2811,2127.65 2811,1532 ; CON10.2@3068.15,1054 3068.15,1309.69 2845.84,1532 2811,1532 ; 2321.46,1532 2453,1532 ; 2453,1532 2811,1532
GND_IN2: C113.1 C117.2 C123.1 C126.1 L2.3 R72.2 U29.1 U32.3 | length 3714.8
  Top Layer w30: C126.1@1662,2748.57 1662,2670.83 1679.57,2653.25 1742.16,2653.25 1804.41,2591 1865.63,2591 1987.63,2469 2030,2469 ; U29.1@1718.38,1398 1951,1398 2013,1336 ; C117.2@2013,1252 2013,1336 ; C113.1@2122,1976.52 2122,1874.57 2104.43,1857 2030,1857 ; R72.2@2522,3154.87 2522,3004 2344.69,2826.69 U32.3@2344.69,2714.54 2344.69,2538.41 2311.19,2504.91 L2.3@2177.79,2504.91 2065.91,2504.91 2030,2469 ; 2013,1336 2070,1393 2070,1607.29 2030,1647.29 2030,1857 ; 2030,1857 v2(2030,1992) 2030,2469
  Bottom Layer w30: C123.1@1895.52,1860 1841.57,1860 1824,1877.57 1824,1948 1868,1992 v2(2030,1992)
GND_IN_PS: CON1.2 CON3A.14A CON3A.14B CON3B.14A CON3B.14B | length 7739.5
  Int2 (Sign) w20: 4844,3201.12 4844,3213.12 4812,3245.12 4812,3307 CON3A.14A@4860,3355 ; CON3B.14A@4860,4945 4848.09,4945 4812,4908.91 4812,4835.12 4855.12,4792 4923.9,4792
  Int2 (Sign) w50: CON1.2@4254,1054 4393,915 4933,915 5465,1447 5465,2254.06 5135,2584.06 5135,2727.06 ; 4844,3201.12 5029,3016.12 5029,2833.06 5135,2727.06 ; 4923.9,4792 5109,4792 5180.51,4720.49 5465,4720.49 ; CON3A.14B@5150,3355 5465,3355 ; CON3B.14B@5150,4945 5151.16,4943.84 5339.16,4943.84 5465,4818 5465,4720.49 ; 5135,2727.06 5146.53,2715.53 5465,3034 5465,3355 ; 5465,3355 5465,3838 5125,4178 5125,4282.97 5465,4622.97 5465,4720.49
GPIO_IN1: U4A.21 U45.5 | length 783.4
  Bottom Layer w6: U4A.21@4058.3,1462.02 3963,1462.02 3941,1484.02 3941,1698 3962.08,1719.08 4317.82,1719.08 4329.82,1707.08 U45.5@4329.82,1666.59
GPIO_IN1_N: CON9.3A U45.7 | length 399.6
  Bottom Layer w6: U45.7@4381,1666.59 4382.87,1668.45 4382.87,1705.43 4384.51,1707.08 4435.55,1707.08 4613.47,1885 4618.44,1885 4650,1853.44 CON9.3A@4650,1848
GPIO_IN1_P: CON9.2A U45.6 | length 430.1
  Bottom Layer w6: U45.6@4355.41,1666.59 4355.41,1691.16 4366.87,1702.62 4366.87,1712.06 4377.89,1723.08 4428.93,1723.08 4606.84,1901 4618.44,1901 4650,1932.56 CON9.2A@4650,1938
GPIO_IN2: U4A.20 U45.3 | length 643.7
  Bottom Layer w6: U4A.20@4058.3,1487.61 3974.39,1487.61 3966,1496 3966,1676 3965.49,1676.51 3965.49,1681.49 3991.08,1707.08 4275.12,1707.08 4278.64,1703.57 U45.3@4278.64,1666.59
GPIO_IN2_N: CON9.5A U45.1 | length 555.6
  Bottom Layer w6: U45.1@4227.46,1666.59 4227.46,1640.33 4232.25,1635.53 4232.25,1617.27 4259.52,1590 4514.02,1590 4629.02,1705 4633.99,1705 4638.9,1700.09 4638.9,1679.1 CON9.5A@4650,1668
GPIO_IN2_P: CON9.4A U45.2 | length 529.1
  Bottom Layer w6: U45.2@4253.05,1666.59 4253.05,1640.33 4248.25,1635.53 4248.25,1623.89 4266.15,1606 4507.39,1606 4622.39,1721 4633.99,1721 4638.9,1725.91 4638.9,1746.9 CON9.4A@4650,1758
GPIO_IN3: U4A.19 U45.13 | length 308
  Bottom Layer w6: U4A.19@4058.3,1513.2 4098,1513.2 4115.77,1530.98 4266.24,1530.98 4304.23,1492.99 U45.13@4304.23,1453.99
GPIO_IN3_N: CON9.3B U45.15 | length 1191.8
  Int2 (Sign) w6: v4(4248.64,1399) 4248.64,1394.13 4255.64,1387.13 4255.64,1361.73 4283.37,1334 4619.54,1334 4752.54,1467 4802.49,1467 4944,1608.51 4944,1623.49 4947.51,1627 4956.98,1627 4981,1651.02 4981,1807 CON9.3B@4940,1848
  Bottom Layer w6: v4(4248.64,1399) 4248.64,1402.31 4257.84,1411.51 4257.84,1422.93 4253.05,1427.73 U45.15@4253.05,1453.99